# KiCad board k410t-devboard.kicad_pcb (continued)
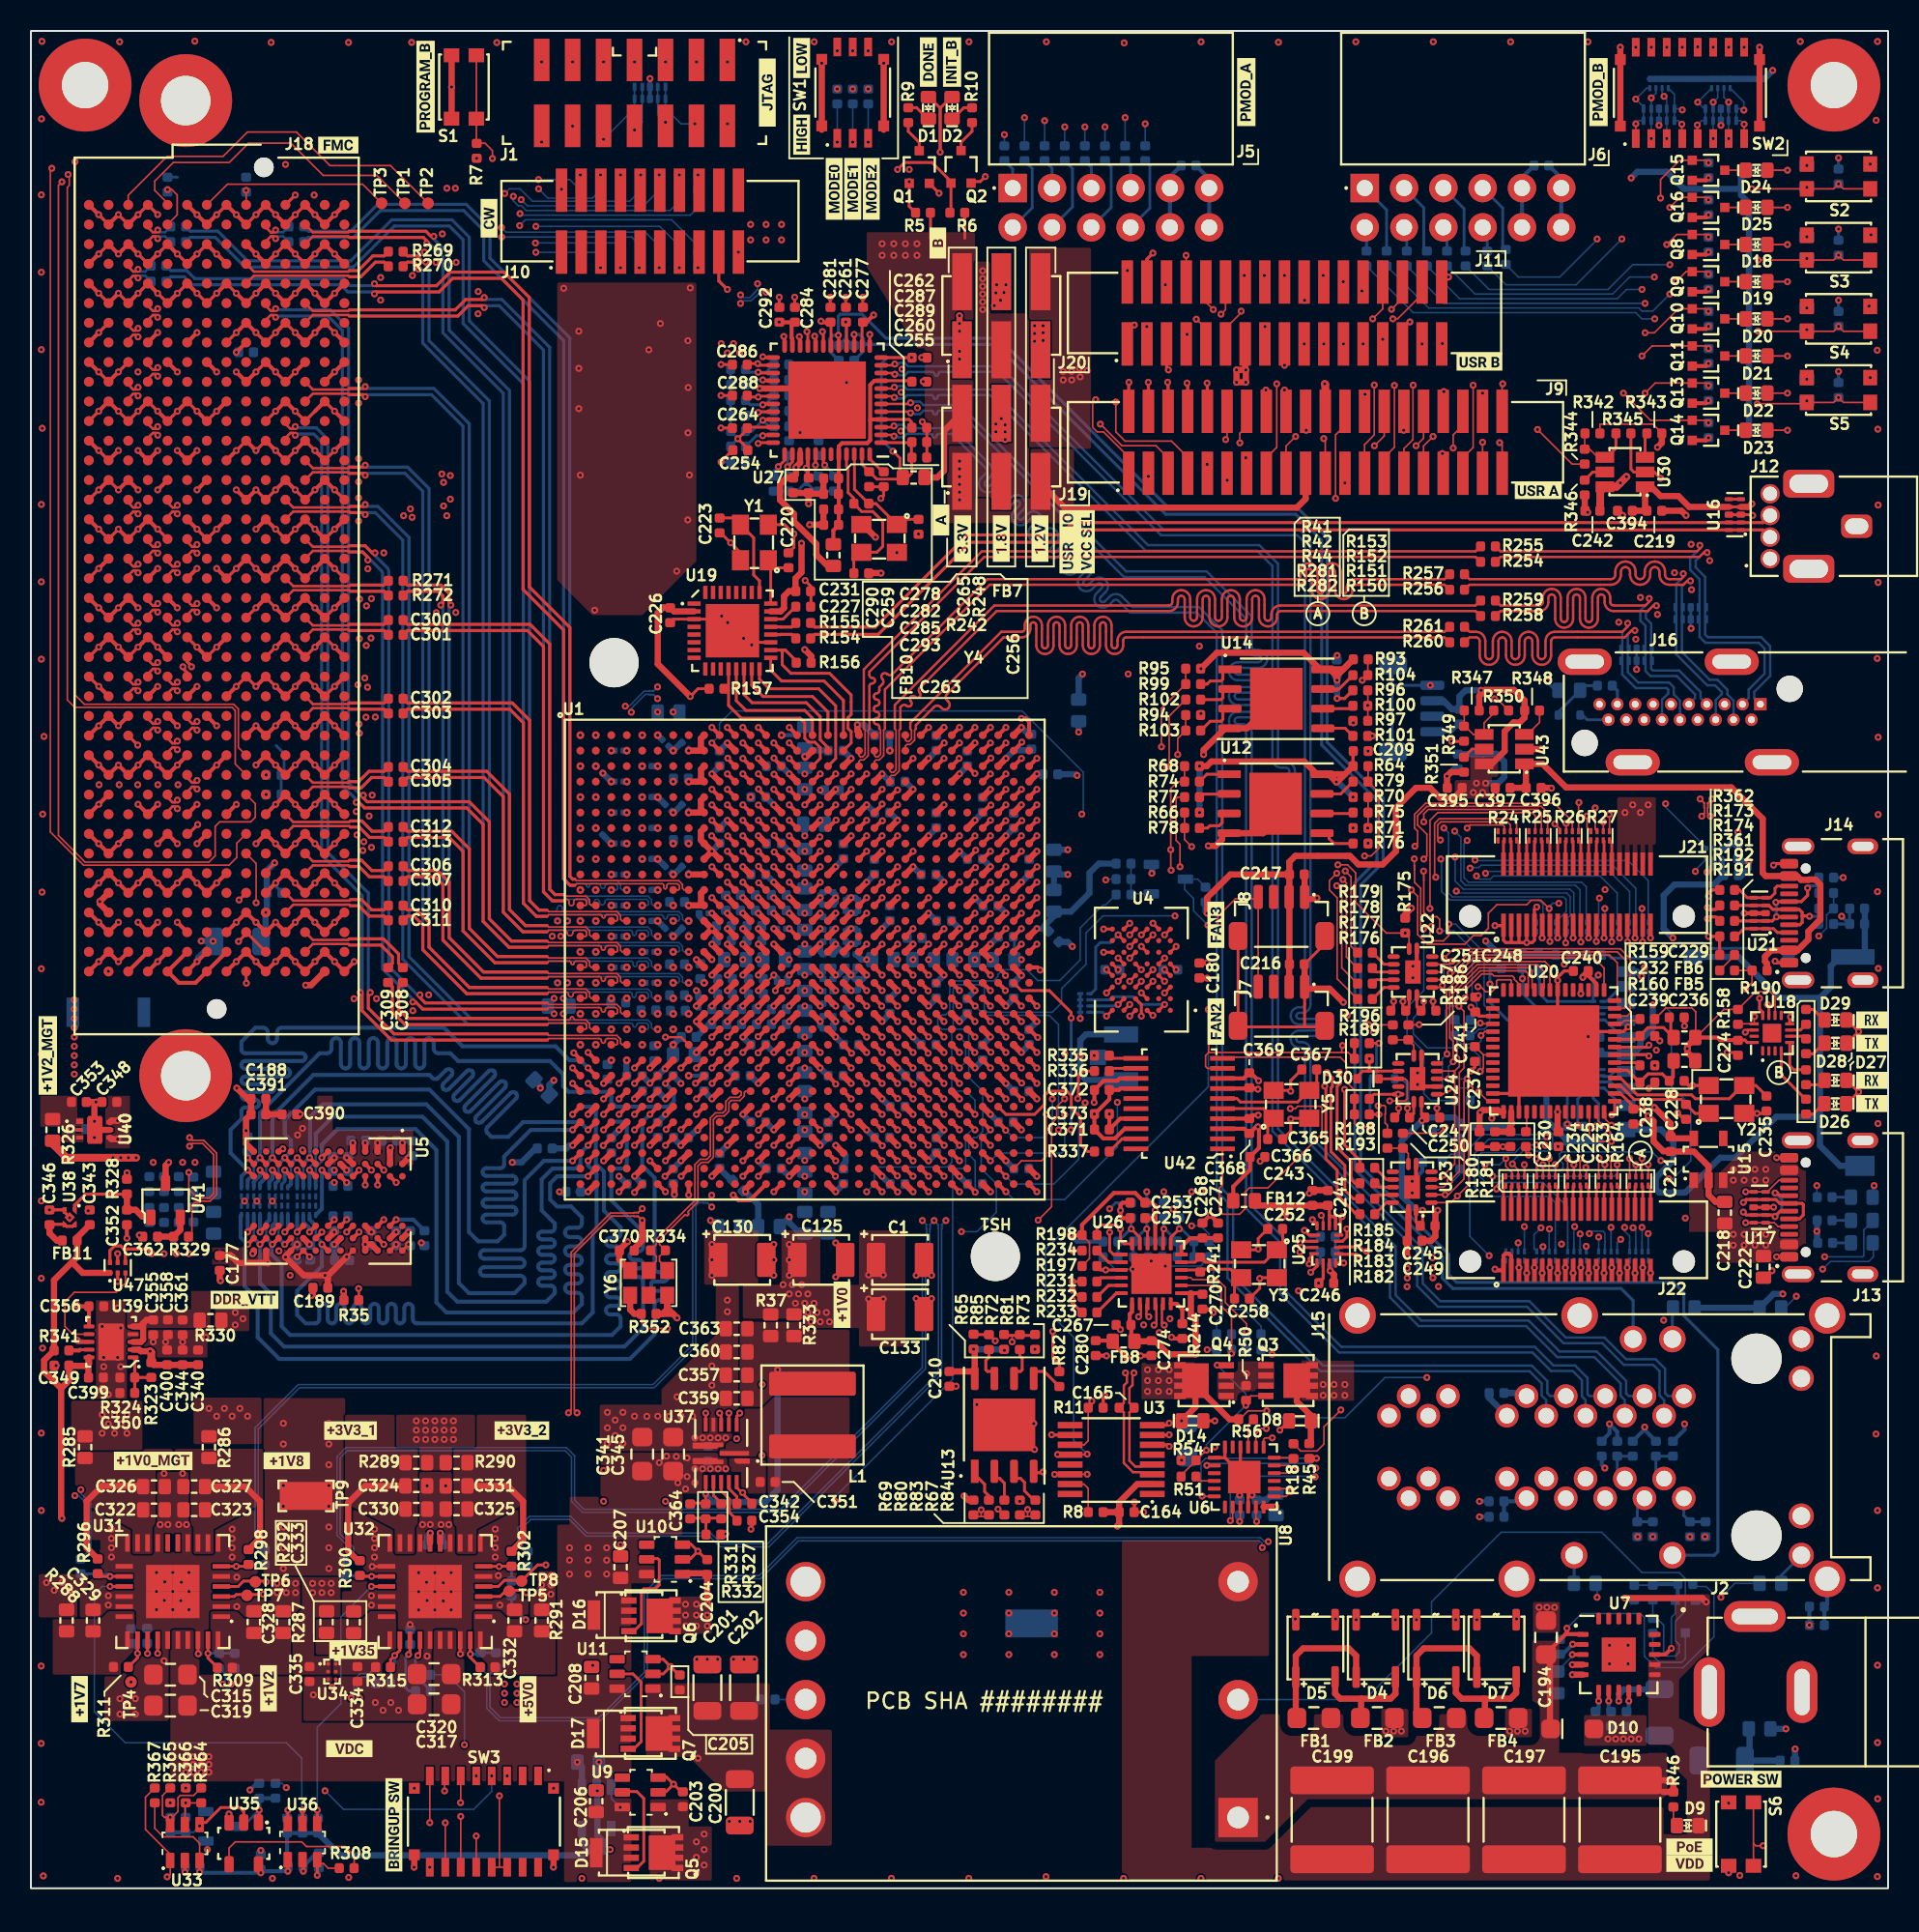
[diagram p0: board, top side]
## Routing (per net, layer and track width the routed paths; a pad name or vN(x,y) marks a point on that pad's centre or on a via; arc(x,y) is an arc through that point) (continued)
/SUP_MCU.A11: length 53.2
  Top w0.1: v1(89.43,67.33) 89.6,67.5 89.6,68.3 89.4,68.5 89.4,69.38 90.12,70.1 98.43,70.1 99.6,68.93 R26.6
  Top w0.256: U1.AB22 v1(57,53)
  In5.Cu w0.1: v1(57,53) 57.4,52.6 74.45,52.6 88.95,67.1 89.2,67.1 v1(89.43,67.33)
/SUP_MCU.A12: length 51.5
  Top w0.1: v1(99.2,68.8) 99.2,68.3
  Top w0.256: U1.AK25 v1(60,45)
  In5.Cu w0.1: v1(99.2,68.8) 98.75,69.25 97.93,69.25 94.88,66.2 94.88,65.22 94.25,64.6 93,64.6 92.4,64 91.53,64 91,63.47 91,63.02 90.53,62.55 88.64,62.55 72.69,46.6 67.05,46.6 65.87,45.43 60.43,45.43 v1(60,45)
/SUP_MCU.A13: length 55.8
  Top w0.256: U1.Y21 v1(56,55)
  In5.Cu w0.1: v1(56,55) 56.4,54.6 75.32,54.6 89.02,68.3 91.1,68.3 v1(91.3,68.5)
  Bottom w0.1: 98.5,62.4 99.2,63.1 99.2,63.88 99.03,64.05 91.85,64.05 91.6,64.3 91.6,68.2 v1(91.3,68.5)
/SUP_MCU.A14: length 48
  Top w0.1: v1(90,68.9) 90,69.42 90.28,69.7 97.4,69.7 97.6,69.5 R25.6
  Top w0.256: U1.Y23 57.99,55.01 v1(58,55.01)
  In5.Cu w0.1: v1(90,68.9) 89.8,68.7 88.85,68.7 75.75,55.6 59.7,55.6 59.5,55.4 58.39,55.4 v1(58,55.01)
/SUP_MCU.A15: length 43.3
  Top w0.1: 95.2,68.3 95.2,68.6 95.1,68.7 93,68.7 v1(92.8,68.5)
  Top w0.256: U1.Y24 v1(59,55)
  In5.Cu w0.1: v1(92.8,68.5) 92.4,68.9 91,68.9 90.6,68.5 88.93,68.5 75.83,55.4 59.8,55.4 59.4,55 v1(59,55)
/SUP_MCU.A16: length 57.1
  Top w0.256: U1.Y20 v1(55,55)
  In5.Cu w0.1: v1(55,55) 55.6,54.4 75.4,54.4 89.1,68.1 91.8,68.1 v1(92,68.3)
  Bottom w0.1: v1(92,68.3) 92.4,67.9 92.4,65.1 92.7,64.8 99.8,64.8 100.1,64.5 100.1,62.4
/SUP_MCU.A17: length 49.6
  Top w0.1: v1(91.07,67.72) 90.9,67.9 90.9,68.7 91.1,68.9 95.4,68.9 95.6,68.7 R24.6
  Top w0.256: U1.AA20 v1(55,54)
  In5.Cu w0.1: v1(91.07,67.72) 90.9,67.9 89.18,67.9 74.48,53.2 66.3,53.2 65.93,53.57 55.43,53.57 v1(55,54)
/SUP_MCU.A18: length 58.1
  Top w0.256: U1.AB20 v1(55,53)
  In5.Cu w0.1: v1(55,53) 55.38,53.38 65.82,53.38 66.2,53 74.56,53 89.26,67.7 90.2,67.7 90.55,67.35 91.32,67.35 91.68,67.7 v1(92.8,67.7)
  Bottom w0.1: v1(92.8,67.7) 92.6,67.5 92.6,65.29 92.89,65 100.2,65 100.5,64.7 100.5,62.4
/SUP_MCU.A19: length 53.1
  Top w0.1: v1(90.4,63.3) 90.4,69 90.9,69.5 97,69.5 97.2,69.3 97.2,68.3
  Top w0.256: U1.AJ24 v1(59,46)
  In5.Cu w0.1: v1(90.4,63.3) 90.05,62.95 88.47,62.95 72.52,47 66.88,47 66.28,46.4 59.4,46.4 v1(59,46)
/SUP_MCU.ALE: length 69.9
  Top w0.1: 103.3,46 v1(103.3,47.15)
  Top w0.256: v1(56.01,51.02) 55.98,51.02 U1.AD21
  In3.Cu w0.1: v1(98.9,41.62) 98.68,41.84 97.41,41.84 96.48,40.91 95.64,40.91 94.65,41.9 87.67,41.9 85.08,44.49 77.38,44.49 76.28,45.6 66.2,45.6 65.1,44.5 57.9,44.5 57.6,44.8 57.6,49.38 57.38,49.6 56.7,49.6 56.4,49.9 56.4,50.64 v1(56.01,51.02)
  In5.Cu w0.1: v1(103.3,47.15) 103.7,47.55 104.25,47.55 105.55,46.25 106.12,46.25 106.38,45.99 106.38,42.01 104.96,40.59 99.79,40.59 98.9,41.48 v1(98.9,41.62)
/SUP_MCU.CCLK: length 0.3
  Bottom w0.1: 101.7,62.4 NT19.1
/SUP_MCU.CE: length 49.2
  Top w0.256: v1(58,50) U1.AE23
  In3.Cu w0.1: v1(98.12,42.6) 97.77,42.25 97.2,42.25 96.28,41.32 95.94,41.32 94.97,42.3 87.84,42.3 84.65,45.49 77.03,45.49 76.52,46 66.02,46 65.42,45.4 58.7,45.4 58.38,45.72 58.38,49.62 v1(58,50)
  Bottom w0.1: 98.1,41.15 98.1,42.58 v1(98.12,42.6)
/SUP_MCU.CFG_CS: length 0.3
  Top w0.1: 99.7,46 NT20.2
/SUP_MCU.CLKO: length 52.3
  Top w0.1: v1(90,66.5) 90.2,66.7 90.2,68.1 89.6,68.7 89.6,69.3 90.2,69.9 97.6,69.9 98,69.5 98,68.3
  Top w0.256: U1.AD23 v1(58,51)
  In5.Cu w0.1: v1(58,51) 58.4,51.4 74.1,51.4 88.8,66.1 89.5,66.1 89.9,66.5 v1(90,66.5)
/SUP_MCU.D0: length 50.7
  Top w0.256: U1.AA21 v1(56,54)
  In3.Cu w0.1: v1(56,54) 56.4,54 57,53.4 57.13,53.4 57.4,53.13 57.4,50.9 57.7,50.6 57.93,50.6 58.57,49.96 58.57,45.82 58.8,45.6 65.3,45.6 65.9,46.2 76.68,46.2 77.18,45.7 84.72,45.7 87.92,42.5 95.3,42.5 v1(96.1,41.7)
  Bottom w0.1: 96.1,41.15 v1(96.1,41.7)
/SUP_MCU.D1: length 47.4
  Top w0.1: 95.3,46 94.7,45.4 v1(94.7,45.18)
  Top w0.256: v1(57,54) U1.AA22
  In3.Cu w0.1: v1(94.7,45.18) 92.85,43.32 88.23,43.32 85.03,46.52 77.92,46.52 77.44,47 66,47 65.4,47.6 59.87,47.6 59.62,47.84 59.62,50.38 59.4,50.6 58.87,50.6 58.62,50.84 58.62,52.97 58.1,53.5 57.5,53.5 v1(57,54)
/SUP_MCU.D2: length 52.3
  Top w0.256: U1.AH25 v1(60,47)
  In3.Cu w0.1: v1(60,47) 60.4,46.6 77.09,46.6 77.58,46.11 84.88,46.11 88.06,42.93 95.63,42.93 96.25,42.3 96.58,42.3 96.88,42.59 96.88,44.38 97.15,44.65 101.4,44.65 101.72,44.32 101.72,42.54 101.97,42.3 v1(104.5,42.3)
  Bottom w0.1: 104.5,41.15 v1(104.5,42.3)
/SUP_MCU.D3: length 47.5
  Top w0.256: v1(58,53) U1.AB23
  In3.Cu w0.1: v1(58,53) 58.4,52.6 58.4,50.79 58.79,50.4 59.13,50.4 59.43,50.11 59.43,47.68 59.7,47.4 65.3,47.4 65.9,46.8 77.31,46.8 77.79,46.32 84.95,46.32 88.15,43.12 95.72,43.12 96.1,42.75 v1(96.5,42.75)
  Bottom w0.1: 96.5,41.15 v1(96.5,42.75)
/SUP_MCU.D4: length 44.2
  Top w0.1: v1(95.3,47.15) 95.3,46.65 95.7,46.25 95.7,46
  Top w0.256: v1(57.98,53.95) 57.98,54.02 U1.AA23
  In3.Cu w0.1: v1(57.98,53.95) 58.53,53.4 59.2,53.4 59.5,53.1 59.5,52.9 59.8,52.6 60.9,52.6 61.1,52.4 61.1,50.8 61.62,50.28 61.62,49.78 61.8,49.6 64.53,49.6 66.33,47.8 76.3,47.8 76.5,48 90.11,48 90.36,47.75 93.25,47.75 93.95,47.05 v1(93.95,46.75)
  Bottom w0.1: v1(95.3,47.15) 94.9,46.75 v1(93.95,46.75)
/SUP_MCU.D5: length 68.4
  Top w0.1: v1(95.72,46.8) 96.1,46.43 96.1,46
  Top w0.256: U1.AC21 v1(56,52)
  In3.Cu w0.1: v1(75.62,45.03) 76.56,44.09 84.92,44.09 87.51,41.5 93.6,41.5 v1(94.22,40.88)
  In5.Cu w0.1: v1(56,52) 55.6,51.6 55.6,44.68 55.88,44.4 65.78,44.4 67.58,46.2 74.45,46.2 v1(75.62,45.03)
  Bottom w0.1: v1(95.72,46.8) 95.72,46.95 96.55,47.78 96.97,47.78 97.12,47.62 98.12,47.62 98.28,47.78 98.28,48.1 98.32,48.15 98.32,48.75 98.07,49 97.62,49 97.32,48.7 93.82,48.7 92.97,47.85 92.97,42.12 v1(94.22,40.88)
/SUP_MCU.D6: length 65.1
  Top w0.256: U1.AC20 v1(55,52)
  In3.Cu w0.1: v1(75,45) 76.11,43.89 84.84,43.89 87.43,41.3 90.6,41.3 92.47,39.43 94.93,39.43 96,40.5 100.7,40.5 101,40.8 101,41.5 100.63,41.87 99.89,41.87 98.6,43.16 97.71,43.16 97.57,43.03 v1(97.57,42.68)
  In5.Cu w0.1: v1(55,52) 55.4,51.6 55.4,44.6 55.8,44.2 65.87,44.2 67.67,46 74,46 v1(75,45)
  Bottom w0.1: 97.3,41.15 97.12,41.32 97.12,42.22 v1(97.57,42.68)
/SUP_MCU.D7: length 50.6
  Top w0.256: v1(56.03,49.95) 56.03,49.97 U1.AE21
  In3.Cu w0.1: v1(56.03,49.95) 56.03,49.68 56.3,49.4 57.3,49.4 57.4,49.3 57.4,44.7 57.8,44.3 65.2,44.3 66.3,45.4 75.88,45.4 76.99,44.29 85,44.29 87.59,41.7 94.07,41.7 95.06,40.71 96.96,40.71 v1(97.7,41.45)
  Bottom w0.1: 97.7,41.15 v1(97.7,41.45)
/SUP_MCU.DONE: length 0.3
  Bottom w0.1: 99.3,41.15 NT6.1
/SUP_MCU.FAN_PWM: length 40.4
  Top w0.1: R26.8 98.8,68.45 v1(98.47,68.78)
  In5.Cu w0.1: v1(69.45,65.15) 80.55,65.15 84.7,69.3 94.22,69.3 95.47,70.55 100.97,70.55 101.45,70.08 101.45,69.4 101.12,69.08 101.12,68.9 100.22,68 99.25,68 v1(98.47,68.78)
  Bottom w0.1: 70.12,65.2 69.5,65.2 v1(69.45,65.15)
/SUP_MCU.FPGA_M0: length 0.3
  Top w0.1: 97.7,46 NT3.1
/SUP_MCU.FPGA_M1: length 0.3
  Top w0.1: 99.3,46 NT4.1
/SUP_MCU.FPGA_M2: length 0.3
  Bottom w0.1: 101.7,41.15 NT5.1
/SUP_MCU.FPGA_MISO: length 0.3
  Bottom w0.1: 100.1,41.15 100.1,41.47
/SUP_MCU.FPGA_MOSI: length 0.4
  Top w0.1: 102.1,46 NT14.2
/SUP_MCU.INITB: length 0.3
  Bottom w0.1: 98.5,41.15 NT7.1
/SUP_MCU.MISO: length 0.3
  Bottom w0.1: 103.3,41.47 103.3,41.15
/SUP_MCU.MOSI: length 0.3
  Bottom w0.1: 102.5,41.15 102.5,41.47
/SUP_MCU.PD_RST: length 47.6
  Top w0.1: v1(84.64,30.91) 83.55,29.81 83.55,28.7 83.1,28.25 82.05,28.25 81.58,28.72 81.58,28.73 ; 101.7,46 v1(101.7,46.75)
  In3.Cu w0.1: v1(101.7,46.75) 101.7,47.38 101.9,47.57 102.45,47.57 102.82,47.95 105.1,47.95 106.25,46.8 106.25,46.35 108.75,43.85 108.75,39.55 108.15,38.95 99.03,38.95 95.19,35.11 89.7,35.11 85.5,30.91 v1(84.64,30.91)
/SUP_MCU.PG_1V2: length 220.8
  Top w0.1: v1(101.97,69.38) 102,69.35 102,68.3
  Top w0.182: 8.19,16.04 v1(8.19,15.18)
  In2.Cu w0.182: v1(6.46,13.32) 8.19,15.05 v1(8.19,15.18)
  In3.Cu w0.1: v1(6.46,13.32) 9.5,10.29 9.5,4.8 9.9,4.4 16.1,4.4 17.93,2.57 34.34,2.57 40.4,8.63 40.4,18.6 41.9,20.1 44.9,20.1 47.7,22.9 101,22.9 108.2,15.7 115.4,15.7 117.5,17.8 117.5,21.7 116.2,23 116.2,33.6 115.7,34.1 113.9,34.1 113.2,33.4 113.2,32.5 111.3,30.6 109.5,30.6 108.4,31.7 108.4,35.3 107,36.7 v1(105.5,36.7) ; v1(106.9,43.3) 104.8,41.2 102.2,41.2 101.32,42.07 v1(101.3,42.07)
  In5.Cu w0.1: v1(101.3,42.07) 101.3,42.95 103.12,44.78 103.12,46.75 102.8,47.07 102.8,54.5 105.4,57.1 105.4,63.35 101.97,66.78 v1(101.97,69.38)
  In7.Cu w0.1: v1(106.9,43.3) 106.9,42.8 105.5,41.4 v1(105.5,36.7)
  Bottom w0.1: v1(101.3,42.07) 101.3,41.15
/SUP_MCU.PG_3V3: length 175
  Top w0.1: v1(81.38,50.38) 81.7,50.38 81.85,50.53 83.32,50.53 83.43,50.43 83.43,48.75 79.93,45.25 78.73,45.25 78.45,44.97 78.45,43.9 78.1,43.55 76.99,43.55 76.78,43.76 76.78,45.23 77,45.45 77,47.78 ; 103.7,46 v1(103.7,46.75)
  In7.Cu w0.1: v1(103.7,46.75) 103.93,46.53 104.12,46.53 105.4,45.25 105.4,41.75 105.15,41.5 102.62,41.5 99.34,44.78 96.3,44.78 95.8,44.28 93.88,44.28 91.97,46.19 91.97,46.19 91.97,52.71 88.22,56.46 86.41,56.46 85.58,55.63 85.58,51.78 84.18,50.38 v1(81.38,50.38) 86.65,45.1 86.65,42.55 85.2,41.1 85.2,39.2 83.3,37.3 82,37.3 80.7,38.6 80.7,39.6 80.3,40 77.6,40 77.1,39.5 72.3,39.5 70.9,38.1 70.9,35.9 71.5,35.3 72.8,35.3 74.9,33.2 74.9,16.34 68.85,10.29 47.29,10.29 46.27,9.27 v1(28.01,9.27)
  Bottom w0.1: 25.81,13.8 26.9,13.8 28.01,12.69 v1(28.01,9.27)
/SUP_MCU.PG_VCCINT: length 133.6
  Top w0.1: 101.3,46 101.3,47.15 v1(101.32,47.18)
  Top w0.177: U37.7 v1(43.6,30.7)
  In3.Cu w0.1: v1(101.32,47.18) 101.32,47.43 101.73,47.83 102.25,47.83 102.64,48.22 105.18,48.22 106.31,47.09 112.11,47.09 113.29,45.91 113.29,42.18 109.26,38.15 103.43,38.15 99.79,34.51 89.95,34.51 85.57,30.13 84.54,30.13 82.55,28.14 82.55,26.21 81.53,25.19 80.99,25.19 80.27,25.91 71.7,25.91 71.58,26.03 67.94,26.03 67.52,26.45 67.52,31.12 69.02,32.62 69.64,32.62 71.63,30.63 75.74,30.63 77.96,32.85 77.96,34.3 79.22,35.56 79.22,36.28 78.85,36.65 75.9,36.65 74.21,34.96 67.87,34.96 66.04,33.13 50.78,33.13 49.45,31.8 44.23,31.8 43.6,31.17 v1(43.6,30.7)
/SUP_MCU.PROGRAMB: length 0.3
  Bottom w0.1: 99.7,41.15 NT8.1
/SUP_MCU.RD: length 59.5
  Top w0.1: 104.5,46 v1(104.5,46.75)
  Top w0.256: v1(59.01,48) 59,48 U1.AG24
  In3.Cu w0.1: v1(59.01,48) 59.01,47.59 59.4,47.2 59.4,46.7 59.7,46.4 76.97,46.4 77.46,45.91 84.79,45.91 87.98,42.72 95.54,42.72 96.17,42.1 96.66,42.1 97.07,42.51 97.07,44.18 97.3,44.4 101.3,44.4 101.45,44.25 101.45,42.5 102.4,41.55 104.3,41.55 104.9,42.15 104.9,46.35 v1(104.5,46.75)
/SUP_MCU.RX0: length 56
  Top w0.1: NT18.1 90.4,62.05 v1(90.5,62.15) ; v1(101.6,68.9) R27.6
  Top w0.256: U1.AK23 v1(58,45)
  In5.Cu w0.1: v1(101.6,68.9) 97.05,64.35 93.15,64.35 92.53,63.72 91.68,63.72 91.28,63.33 91.28,62.9 90.53,62.15 v1(90.5,62.15) 90.3,62.35 88.72,62.35 72.77,46.4 67.5,46.4 65.7,44.6 58.4,44.6 v1(58,45)
/SUP_MCU.RX1: length 53.6
  Top w0.1: v1(89.2,64.5) 89.6,64.1 89.6,61.62 90.22,61 92.65,61 93.2,61.55 93.7,61.55 94.18,62.03 94.18,63 94.72,63.55 96.66,63.55 96.94,63.83 97.57,63.83 v1(98.1,63.3)
  Top w0.256: U1.AG23 57.98,48.02 v1(57.98,48.01)
  In5.Cu w0.1: v1(57.98,48.01) 58.37,48.4 72.79,48.4 88.69,64.3 89,64.3 v1(89.2,64.5)
  Bottom w0.1: R20.3 98.1,63.3 v1(98.1,63.3) 98.1,63.41 NT17.1
/SUP_MCU.SCL: length 0.3
  Top w0.1: 96.5,46 NT23.2
/SUP_MCU.SCLK0: length 0.3
  Bottom w0.1: 104.1,41.47 104.1,41.15
/SUP_MCU.SCLK1: length 62.6
  Top w0.1: 100.1,46 v1(100.1,47.15)
  Top w0.256: U1.R20 v1(55,61)
  In3.Cu w0.1: v1(100.1,47.15) 100.47,47.15 100.9,46.72 100.9,46.45 99.75,45.3 95.98,45.3 93.33,47.95 90.44,47.95 90.19,48.2 76.41,48.2 76.21,48 66.41,48 64.04,50.38 61.81,50.38 61.4,50.79 61.4,53.3 61.3,53.4 59.6,53.4 59.4,53.6 59.4,54.2 59.2,54.4 54.6,54.4 54.4,54.6 54.4,54.62 54.38,54.64 54.38,58.66 54.4,58.68 54.4,60.4 v1(55,61)
/SUP_MCU.SDA: length 0.3
  Bottom w0.1: 104.1,62.4 104.1,62.67
/SUP_MCU.SPARE0: length 39.6
  Top w0.256: U1.AK30 v1(65,45)
  In3.Cu w0.1: v1(65,45) 65.3,45 66.1,45.8 76.4,45.8 76.91,45.29 84.57,45.29 87.76,42.1 94.89,42.1 95.86,41.12 96.37,41.12 97.28,42.04 99.32,42.04 100.11,41.25 100.27,41.25 v1(100.5,41.48)
  Bottom w0.1: 100.5,41.15 100.5,41.47 v1(100.5,41.48)
/SUP_MCU.SPARE1: length 48.6
  Top w0.1: 98.5,46 v1(98.5,46.75)
  Top w0.256: v1(61.01,57) 61,57 U1.V26
  In3.Cu w0.1: v1(98.5,46.75) 98.5,46.1 98.1,45.7 96.15,45.7 93.5,48.35 90.6,48.35 90.35,48.6 76.25,48.6 76.05,48.4 67,48.4 v1(66.4,49)
  Bottom w0.1: v1(61.01,57) 61.61,56.4 65.8,56.4 66.4,55.8 v1(66.4,49)
/SUP_MCU.SPARE2: length 47.1
  Top w0.1: 67.22,56.28 v1(67.22,56.23) ; 98.1,46 v1(98.1,47.15)
  Top w0.182: U1.U29 64,58 65.8,58 67.22,56.58 67.22,56.28
  In3.Cu w0.1: v1(67.2,49) 67.6,48.6 75.97,48.6 76.17,48.8 90.44,48.8 90.69,48.55 93.87,48.55 94.9,47.53 95.65,47.53 96.1,47.07 96.1,46.2 96.28,46.03 97.93,46.03 98.1,46.2 v1(98.1,47.15)
  Bottom w0.182: 67.22,49.02 67.22,56.28
/SUP_MCU.SPARE3: length 58
  Top w0.1: 100.5,46 100.5,46.55 v1(100.47,46.57)
  Top w0.256: U1.T20 v1(55,59)
  In3.Cu w0.1: v1(100.47,46.57) 100.47,46.32 99.65,45.5 96.07,45.5 93.42,48.15 90.52,48.15 90.27,48.4 76.33,48.4 76.13,48.2 66.5,48.2 64.13,50.57 64.13,50.57 64.12,50.57 61.89,50.57 61.6,50.87 61.6,53.5 61.5,53.6 59.8,53.6 59.6,53.8 59.6,54.28 59.28,54.6 54.7,54.6 54.58,54.72 54.58,58.58 v1(55,59)
/SUP_MCU.SW_STATE: length 186.8
  Top w0.1: 11,6.49 10.51,6 9.65,6 9.5,5.85 9.5,4.96 9.12,4.59 v1(9,4.59) 8.62,4.59 8.5,4.71 NT39.2
  Top w0.107: 9,4.25 v1(9,4.59)
  In3.Cu w0.1: v1(9,4.59) 9,4.59 10.04,3.55 16.4,3.55 17.6,2.35 34.55,2.35 37.8,5.6 43.1,5.6 46.35,2.35 108.95,2.35 117.9,11.3 117.9,38.03 116.32,39.6 116.32,55.7 114.68,57.35 113.27,57.35 112.1,58.53 108.02,58.53 105.7,60.85 105.7,62.85 104.57,63.97 v1(101.35,63.97)
  Bottom w0.1: 101.3,62.4 101.3,63.92 v1(101.35,63.97)
/SUP_MCU.TEMP_ALERT_N: length 0.3
  Top w0.1: 97.3,46 NT21.1
/SUP_MCU.TX0: length 54.3
  Top w0.1: v1(89.99,65.72) 90,65.7 NT16.1 ; v1(100.55,69.28) 100.55,68.55 R27.8
  Top w0.256: U1.AE24 v1(59,50)
  In5.Cu w0.1: v1(59,50) 59.38,50.38 67.06,50.38 68.24,49.2 72.46,49.2 88.79,65.53 89.8,65.53 v1(89.99,65.72) 90.22,65.72 90.57,66.08 91.28,66.08 91.6,66.4 91.6,66.74 91.86,67 92.25,67 92.4,66.85 95.15,66.85 97.78,69.47 99.12,69.47 99.62,68.97 99.62,68.83 100.05,68.4 100.25,68.4 100.55,68.7 v1(100.55,69.28)
/SUP_MCU.TX1: length 54.7
  Top w0.1: 101.2,68.3 101.07,68.42 v1(101.07,69.8) ; v1(89.39,66.51) 89.39,66.07 NT15.1
  Top w0.256: U1.AD22 v1(57,51)
  In5.Cu w0.1: v1(101.07,69.8) 101.03,69.75 97.6,69.75 94.97,67.12 93.25,67.12 93.2,67.08 92.53,67.08 92.38,67.22 91.8,67.22 91.45,66.88 89.82,66.88 89.46,66.51 v1(89.39,66.51) 89.17,66.3 88.71,66.3 74.01,51.6 57.6,51.6 v1(57,51)
/SUP_MCU.WR: length 50.8
  Top w0.1: 102.5,46 v1(102.5,46.75)
  Top w0.256: v1(59,53) U1.AB24
  In3.Cu w0.1: v1(59,53) 59.4,52.6 59.4,51.88 59.68,51.6 60.21,51.6 60.57,51.24 60.57,48.81 60.78,48.6 64.97,48.6 66.17,47.4 76.46,47.4 76.64,47.57 89.97,47.57 90.19,47.35 93.09,47.35 93.38,47.06 93.38,46.51 93.89,46 v1(94.45,46)
  Bottom w0.1: v1(102.5,46.75) 102.5,46.2 102.3,46 v1(94.45,46)
/SUP_MCU.~{SCS}: length 0.3
  Bottom w0.1: 103.7,41.47 103.7,41.15
/Supervisior MCU/CFG_DONE: length 0.5
  Bottom w0.177: v1(99.15,40.1) 99.15,40.4 99.3,40.55
/Supervisior MCU/CFG_INITB: length 0.9
  Bottom w0.177: R29.5 98.65,40.4 v1(98.65,39.75)
/Supervisior MCU/CFG_PROGRAMB: length 0.8
  Bottom w0.177: R30.7 99.65,40.5 v1(99.65,39.75)
/Supervisior MCU/FAN_PWM: length 1.6
  Top w0.177: 98.8,67.7 98.65,67.55 98.65,66.17
/Supervisior MCU/FPGA_CFG_CS: length 1.5
  Top w0.177: 99.7,45.4 99.65,45.35 99.65,43.88
/Supervisior MCU/FPGA_CIPO: length 0.5
  Bottom w0.177: v1(100.15,40.1) 100.15,40.5 R30.6
/Supervisior MCU/FPGA_COPI: length 1.5
  Top w0.177: R281.3 102.15,45.35 J22.30
/Supervisior MCU/FPGA_M0: length 1.5
  Top w0.177: 97.7,45.4 97.65,45.35 97.65,43.88
/Supervisior MCU/FPGA_M1: length 1.6
  Top w0.177: R44.1 99.15,45.25 99.15,43.88
/Supervisior MCU/FPGA_M2: length 0.8
  Bottom w0.177: R31.7 101.65,40.5 v1(101.65,39.75)
/Supervisior MCU/PGOOD_1V2: length 0.5
  Bottom w0.177: 101.3,40.55 101.15,40.4 v1(101.15,40.1)
/Supervisior MCU/PGOOD_1V8: length 1.6
  Top w0.177: J21.30 102.15,67.55 102,67.7
/Supervisior MCU/PGOOD_3V3: length 1.5
  Top w0.177: J22.36 103.65,45.35 103.7,45.4
/Supervisior MCU/PGOOD_VCCINT: length 1.6
  Top w0.177: R281.1 101.15,45.25 J22.26
/Supervisior MCU/PWR_ON: length 1.6
  Top w0.177: 96.65,66.17 96.65,67.55 96.8,67.7
/Supervisior MCU/PWR_RST: length 1.7
  Top w0.1: v1(102.15,61.15) 102.15,62.22 J21.29
  Bottom w0.177: R22.6 102.15,61.75 v1(102.15,61.15)
/Supervisior MCU/RXD0: length 1.5
  Top w0.177: 101.6,67.7 101.65,67.65 J21.28
/Supervisior MCU/RXD1: length 1.7
  Top w0.1: v1(98.15,61.17) 98.15,62.22
  Bottom w0.177: v1(98.15,61.17) 98.15,61.75 R20.6
/Supervisior MCU/SAM_FPGA_CCLK: length 0.4
  Bottom w0.177: v1(101.65,61.4) 101.65,61.75 R22.7
/Supervisior MCU/SCL0: length 1.6
  Top w0.177: 96.65,43.88 96.65,45.25 96.5,45.4
/Supervisior MCU/SDA0: length 1.8
  Top w0.1: v1(104.14,61.14) 104.14,62.21 J21.37
  Bottom w0.177: R23.6 104.14,61.76 v1(104.14,61.14)
/Supervisior MCU/SW_STATE: length 1.7
  Top w0.1: J21.25 v1(101.15,61.17)
  Bottom w0.177: v1(101.15,61.17) 101.15,61.65 101.3,61.8
/Supervisior MCU/TEMP_ALERT_N: length 1.6
  Top w0.177: R42.1 97.15,45.25 97.15,43.88
/Supervisior MCU/TXD0: length 1.6
  Top w0.177: 100.8,67.7 100.65,67.55 J21.24
/Supervisior MCU/TXD1: length 1.5
  Top w0.177: J21.26 101.15,67.65 101.2,67.7
/Supervisior MCU/USB_A0: length 0.4
  Bottom w0.177: v1(97.65,61.4) 97.65,61.75 R20.7
/Supervisior MCU/USB_A1: length 1.9
  Top w0.1: 99.15,62.22 99.15,61.1 v1(99.17,61.08)
  Bottom w0.177: 99.3,61.8 99.17,61.67 v1(99.17,61.08)
/Supervisior MCU/USB_A2: length 0.5
  Bottom w0.177: R22.5 102.65,61.65 v1(102.65,61.4)
/Supervisior MCU/USB_A3: length 0.4
  Bottom w0.177: R23.7 103.65,61.75 v1(103.65,61.4)
/Supervisior MCU/USB_A4: length 0.5
  Bottom w0.177: v1(104.65,61.4) 104.65,61.65 R23.5
/Supervisior MCU/USB_A5: length 1.8
  Top w0.1: v1(103.16,61.14) 103.16,62.21 J21.33
  Bottom w0.177: v1(103.16,61.14) 103.16,61.66 103.3,61.8
/Supervisior MCU/USB_A6: length 1.6
  Top w0.177: 96,67.7 96.15,67.55 96.15,66.17
/Supervisior MCU/USB_A7: length 0.4
  Bottom w0.177: v1(99.65,61.4) 99.65,61.75 R21.7
/Supervisior MCU/USB_A8: length 0.5
  Bottom w0.177: v1(102.15,40.1) 102.15,40.5 R31.6
/Supervisior MCU/USB_A9: length 1.5
  Top w0.177: J22.38 104.15,45.35 R282.3
/Supervisior MCU/USB_A10: length 1.6
  Top w0.177: J21.22 100.15,67.55 100,67.7
/Supervisior MCU/USB_A11: length 1.5
  Top w0.177: 99.6,67.7 99.65,67.65 99.65,66.17
/Supervisior MCU/USB_A12: length 1.5
  Top w0.177: 99.2,67.7 99.15,67.65 99.15,66.17
/Supervisior MCU/USB_A13: length 0.5
  Bottom w0.177: v1(98.65,61.4) 98.65,61.65 R20.5
/Supervisior MCU/USB_A14: length 1.5
  Top w0.177: 97.6,67.7 97.65,67.65 97.65,66.17
/Supervisior MCU/USB_A15: length 1.5
  Top w0.177: 95.2,67.7 95.15,67.65 95.15,66.17
/Supervisior MCU/USB_A16: length 1.8
  Top w0.1: v1(100.15,61.14) J21.21
  Bottom w0.177: v1(100.15,61.14) 100.15,61.75 R21.6
/Supervisior MCU/USB_A17: length 1.5
  Top w0.177: 95.6,67.7 95.65,67.65 95.65,66.17
/Supervisior MCU/USB_A18: length 0.5
  Bottom w0.177: R21.5 100.65,61.65 v1(100.65,61.4)
/Supervisior MCU/USB_A19: length 1.5
  Top w0.177: 97.2,67.7 97.15,67.65 97.15,66.17
/Supervisior MCU/USB_ALE: length 1.6
  Top w0.177: J22.34 103.15,45.25 R282.1
/Supervisior MCU/USB_C_PD_RST: length 1.5
  Top w0.177: 101.7,45.4 101.65,45.35 J22.28
/Supervisior MCU/USB_CE: length 0.5
  Bottom w0.177: R29.6 98.15,40.5 v1(98.15,40.1)
/Supervisior MCU/USB_CLK0: length 1.6
  Top w0.177: 98,67.7 98.15,67.55 98.15,66.17
/Supervisior MCU/USB_CLK1_SPARE: length 1.5
  Top w0.177: J22.22 100.15,45.35 R44.3
/Supervisior MCU/USB_D0: length 0.5
  Bottom w0.177: R28.6 96.15,40.5 v1(96.15,40.1)
/Supervisior MCU/USB_D1: length 1.6
  Top w0.177: R41.1 95.15,45.25 95.15,43.88
/Supervisior MCU/USB_D2: length 0.9
  Bottom w0.177: v1(104.65,39.75) 104.65,40.4 R33.5
/Supervisior MCU/USB_D3: length 0.9
  Bottom w0.177: R28.5 96.65,40.4 v1(96.65,39.75)
/Supervisior MCU/USB_D4: length 1.5
  Top w0.177: 95.7,45.4 95.65,45.35 95.65,43.88
/Supervisior MCU/USB_D5: length 1.5
  Top w0.177: R41.3 96.15,45.35 96.15,43.88
/Supervisior MCU/USB_D6: length 0.5
  Bottom w0.177: 97.3,40.55 97.15,40.4 v1(97.15,40.1)
/Supervisior MCU/USB_D7: length 0.8
  Bottom w0.177: R29.7 97.65,40.5 v1(97.65,39.75)
/Supervisior MCU/USB_RD: length 1.6
  Top w0.177: J22.40 104.65,45.25 104.5,45.4
/Supervisior MCU/USB_SPARE0: length 0.9
  Bottom w0.177: v1(100.65,39.75) 100.65,40.4 R30.5
/Supervisior MCU/USB_SPARE1: length 1.6
  Top w0.177: 98.5,45.4 98.65,45.25 98.65,43.88
/Supervisior MCU/USB_SPARE2: length 1.5
  Top w0.177: R42.3 98.15,45.35 98.15,43.88
/Supervisior MCU/USB_SPARE3: length 1.6
  Top w0.177: J22.24 100.65,45.25 100.5,45.4
/Supervisior MCU/USB_SPI_CIPO: length 0.5
  Bottom w0.177: 103.3,40.55 103.15,40.4 v1(103.15,40.1)
/Supervisior MCU/USB_SPI_COPI: length 0.9
  Bottom w0.177: R31.5 102.65,40.4 v1(102.65,39.75)
/Supervisior MCU/USB_SPI_CS: length 0.8
  Bottom w0.177: v1(103.65,39.75) 103.65,40.5 R33.7
/Supervisior MCU/USB_SPI_SCK: length 0.5
  Bottom w0.177: v1(104.15,40.1) 104.15,40.5 R33.6
/Supervisior MCU/USB_WR: length 1.6
  Top w0.177: J22.32 102.65,45.25 102.5,45.4
/USB PHY/BDBUS0: length 131.1
  Top w0.1: v1(91.5,53.9) 91.47,53.93 91.47,58.03 93.32,59.88 97.82,59.88 98.15,59.55 98.15,58.04 ; U24.2 91.25,51.3 v1(91.6,51.65) ; U23.2 91.74,44.3 v1(92.17,44.73) 92.9,45.46 92.9,51.6 v1(93,51.7)
  In5.Cu w0.1: v1(28.77,7.26) 26.98,7.26 24.92,5.2 24.92,3.81 26.25,2.48 29.31,2.48 33.09,6.26 33.09,13.62 39.67,20.2 46.42,20.2 48.63,22.41 73.59,22.41 77.88,26.7 80.57,26.7 82.43,28.56 82.43,36.08 85.12,38.77 87.25,38.77 88.36,37.66 89.35,37.66 90.57,38.88 v1(90.95,38.88)
  In7.Cu w0.1: v1(92.17,44.73) 92.02,44.58 92.02,39.95 v1(90.95,38.88)
  Bottom w0.1: 91.6,51.7 v1(91.6,51.65) ; v1(91.6,51.65) 91.45,51.65 91.2,51.9 91.2,53.6 v1(91.5,53.9) ; v1(91.6,51.65) 91.65,51.7 v1(93,51.7)
/USB PHY/BDBUS1: length 127.6
  Top w0.1: 27.77,7.26 27.77,5.54 v1(27.76,5.53) ; 97.65,58.04 97.78,58.16 97.78,59.22 97.32,59.68 93.45,59.68 91.68,57.9 91.68,54.95 91.9,54.72 v1(91.9,53.4) ; v1(91.38,44.81) 91.37,44.8 U23.3 90.51,44.81 91.59,44.81 92.6,45.82 92.6,52.1 v1(92.8,52.3) ; U24.4 v1(91.6,52.3)
  In5.Cu w0.1: v1(90.57,40.09) 90.24,40.09 89.68,39.53 89.68,38.61 89.17,38.1 88.62,38.1 87.52,39.2 84.98,39.2 82.03,36.25 82.03,28.73 80.4,27.1 77.71,27.1 76.76,26.15 69.69,26.15 66.36,22.81 48.46,22.81 46.25,20.6 39.5,20.6 32.69,13.79 32.69,6.54 29.06,2.91 26.42,2.91 25.32,4.01 25.32,4.63 25.54,4.85 27.08,4.85 v1(27.76,5.53)
  In7.Cu w0.1: v1(91.38,44.81) 91.48,44.71 91.48,40.89 90.68,40.09 v1(90.57,40.09)
  Bottom w0.1: v1(91.9,53.4) 91.6,53.1 v1(91.6,52.3) v1(92.8,52.3)
/USB PHY/BDBUS2: length 124.2
  Top w0.1: 90.5,45.8 91,45.8 v1(91.28,46.07) 92,46.8 92,52.6 ; 90.85,52.8 91.9,52.8 ; 91.9,52.8 92,52.8 ; 91.9,52.8 92,52.7 92,52.6 ; 92,52.6 92,52.8 ; 92,52.8 92.3,53.1 92.3,53.68 92.15,53.82 92.15,54.8 91.88,55.07 91.88,57.8 93.55,59.47 96.82,59.47 97,59.3 97,58.19 97.15,58.04 ; 26.77,7.26 26.73,7.22 v1(26.73,6.29)
  In5.Cu w0.1: v1(90.59,39.44) 90.59,39.22 89.25,37.88 88.5,37.88 87.41,38.97 85.03,38.97 82.23,36.17 82.23,28.64 80.49,26.9 77.79,26.9 76.84,25.94 69.78,25.94 66.44,22.61 48.54,22.61 46.33,20.4 39.59,20.4 32.89,13.7 32.89,6.36 29.21,2.68 26.34,2.68 25.12,3.9 25.12,4.72 26.69,6.29 v1(26.73,6.29)
  In7.Cu w0.1: v1(90.59,39.44) 91.76,40.61 91.76,45.03 91.28,45.51 v1(91.28,46.07)
/USB PHY/BDBUS3: length 25.6
  Top w0.1: v1(89.7,55.8) 89.69,55.78 89,55.78 ; 96.65,58.04 96.75,58.14 96.75,59.1 96.57,59.28 93.65,59.28 92.16,57.78 92.16,57.1 v1(92.28,56.99) 92.6,56.66 92.6,53 92.3,52.7 92.3,46.32 v1(91.68,45.7) 91.28,45.3 U23.4
  Bottom w0.1: v1(89.7,55.8) 91.1,55.8 91.4,56.1 91.4,56.7 91.69,56.99 v1(92.28,56.99) ; v1(91.68,45.7) 91.9,45.7 92.3,46.1 92.3,46.37
/USB PHY/FTDI_3V3: length 128.1
  Top w0.1: 112.7,56.4 112.7,57.6 112.38,57.93 111.44,57.93 110.3,56.78 109.39,56.78 107.57,54.97 107.57,56.62 107.57,56.62 107.32,56.88 105.64,56.88 104.93,56.16 ; v1(93.65,52.78) 93.85,52.97 93.85,53.85 ; 94.46,53.85 93.85,53.85 ; 93.85,53.85 93.3,54.4
  Top w0.177: U22.1 89.55,56.95 89.8,56.7 ; 90.05,49.8 89.85,50 U24.1 ; 89.75,42.8 89.5,43.05 U23.1
  Top w0.182: v1(90,57.3) 90,56.9 89.8,56.7 ; v1(89.93,43.8) 89.93,42.97 89.75,42.8 ; 90.05,49.8 90.05,49.77 v1(89.88,49.6)
  Top w0.198: 111.35,54.65 110.9,54.65 110.75,54.8 110.3,54.8
  Top w0.256: 101.15,58.04 101.15,58.45 100.65,58.96 100.65,59.26 ; 107.57,54.97 108.99,54.97 109.15,54.8 110.3,54.8
  Top w0.4: v1(104.9,50.45) 105.95,49.4 105.95,48.57 106.07,48.45 107.45,48.45 ; v1(98.65,50.16) 98.65,48.95 98.7,48.9 ; 100.65,59.26 100.28,58.9 v1(100.28,58.85) ; 107.57,53.47 107.02,54.01 v1(107.02,54.25) 107.02,54.42 107.57,54.97 ; 95.65,50.16 95.65,49.45 v1(95.68,49.43) 95.6,49.35 95.6,48.9 95.59,48.88 94.6,48.88
  In2.Cu w0.4: v1(90,57.3) 90,57 90.32,56.68 91.78,56.68 91.75,56.7 91.75,57.35 92.35,57.95 92.35,58.35 93.4,59.4 94.25,59.4 95.3,58.35 95.3,58.22 96.03,57.5 ; 102.78,51.95 103.28,52.45 ; 102.78,51.95 103.4,51.95 ; 102.78,51.95 95.32,51.95 95.03,52.25 95.03,56.5 96.03,57.5 ; 103.28,52.45 103.28,54.47 104.07,55.28 105.8,55.28 106.82,54.25 v1(107.02,54.25) ; 103.28,52.45 103.28,52.07 103.4,51.95 ; 103.4,51.95 v1(104.9,50.45) ; v1(106.1,61.4) 104.95,60.25 101.3,60.25 100.28,59.22 v1(100.28,58.85) 100.28,58.7 99.07,57.5 96.03,57.5 ; 91.75,56.68 91.75,56.43 92.6,55.57 92.6,55.15 93.65,54.1 v1(93.65,52.78) 93.65,53.03 93.3,53.38 92.8,53.38 92.28,52.85 92.28,51.62 93.05,50.85 93.05,49.82 93.7,49.18 94.75,49.18 95,49.43 v1(95.68,49.43) 97.91,49.43 v1(98.65,50.16)